# Altium PCB UltraZOhm_CarrierBoard.PcbDoc (part 1 of 12) (continued)
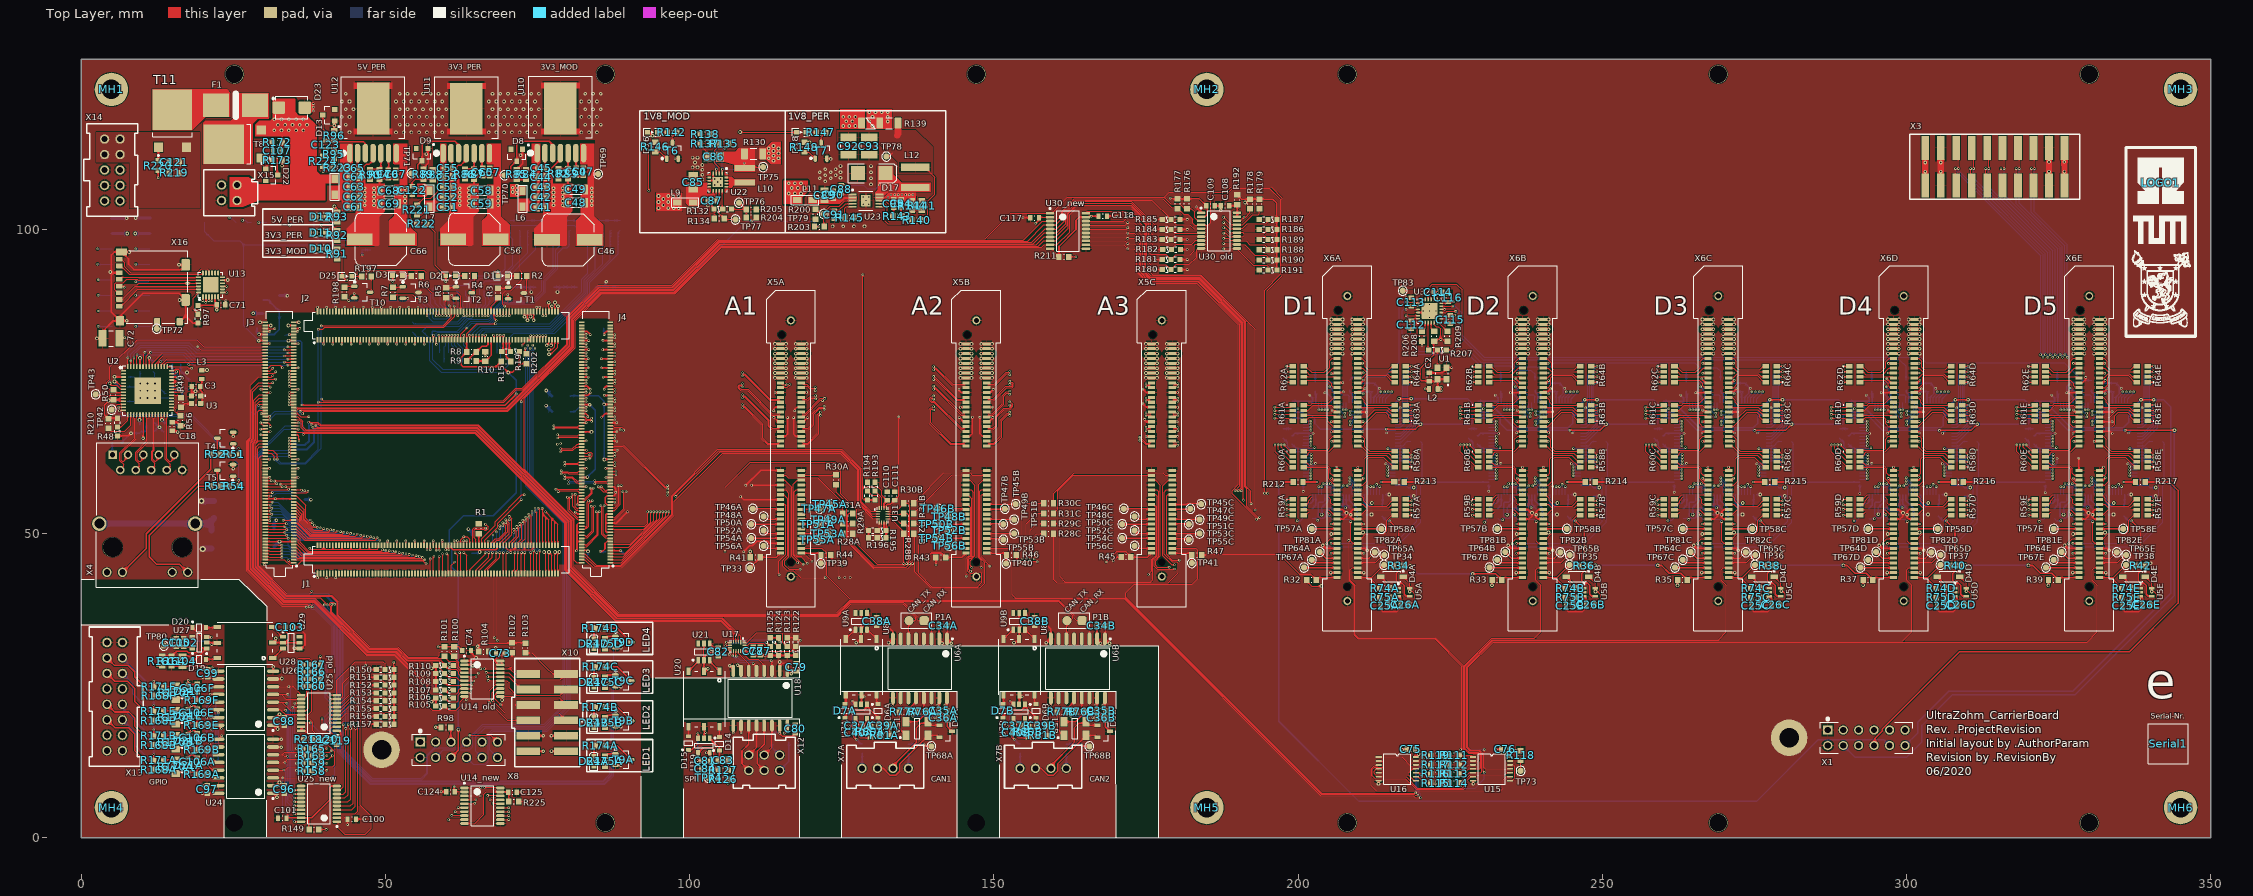
[diagram p0: Top Layer view]
## Classes and differential pairs
component class U_XMOD: R98 R99 X8 X9 X10 X11
component class U_LevelShiftingExtGPIO: C100 C101 C119 C120 R149 R150 R151 R152 R153 R154 R155 R156 R157 R158 R159 R160 R162 R163 R165 R166 R167 R218 U25_new U25_old
net class S75: CS_fastADC_01_3V3 CS_fastADC_02_3V3 NetR28A_1 NetR28B_1 NetR28C_1 NetR29A_2 NetR29B_2 NetR29C_2 NetR30A_1 NetR30B_1 NetR30C_1 NetR31A_2 NetR31B_2 NetR31C_2 SPI_shared_CLK_3V3 SPI_shared_MOSI_3V3
net class CPLD_CLK[1..5]: CPLD_CLK1 CPLD_CLK2 CPLD_CLK3 CPLD_CLK4 CPLD_CLK5
component class U_J2: D1 D2 D3 D25 J2 R2 R3 R4 R5 R6 R7 R8 R9 R10 R11 R12 R13 R14 R15 R16 R17 R18 R19 R20 R21 R22 R23 R24 R25 R197 R198 R199 R201 R202 SW1 SW2 SW3 T1 T2 T3 T10 TP1 TP2 TP3 TP4 TP5 TP6 TP7 TP8 TP9 TP10 TP11 TP12 TP13 TP14 TP15 TP16 TP17 TP18 TP19 TP20 TP21 TP22 TP23 TP24 TP25 U_J2
component class U_ETH-PHY: C3 C4 C5 C6 C7 C8 C9 C10 C11 C12 C13 C14 C15 C16 C17 C18 C19 C20 C21 L3 L4 R48 R49 R50 R51 R52 R53 R54 R55 R56 R210 T4 T5 TP42 TP43 U2 U3 X4
component class CarrierBoard_TopSheet: LOGO1 MH1 MH2 MH3 MH4 MH5 MH6 Serial1
component class U_J1: J1 R1 U_J1
component class U_J3: C1 J3 L1 TP26 TP27 TP28 TP29 TP30 TP31 TP32 U_J3
component class U_J4: J4 R26 R27 U_J4
component class U_Board2Board: X3
channel class Digital_Interface: Ch1 Ch2 Ch3 Ch4 Ch5
channel class Analog_Interface: Ch1 Ch2 Ch3
component class AIN1: R28A R29A R30A R31A TP10.1_45 TP10.1_46 TP10.1_47 TP10.1_48 TP10.1_49 TP10.1_50 TP10.1_51 TP10.1_52 TP10.1_53 TP10.1_54 TP10.1_55 TP10.1_56 TP45A TP46A TP47A TP48A TP49A TP50A TP51A TP52A TP53A TP54A TP55A TP56A X5A X10.1_2
component class AIN2: R28B R29B R30B R31B TP10.2_45 TP10.2_46 TP10.2_47 TP10.2_48 TP10.2_49 TP10.2_50 TP10.2_51 TP10.2_52 TP10.2_53 TP10.2_54 TP10.2_55 TP10.2_56 TP45B TP46B TP47B TP48B TP49B TP50B TP51B TP52B TP53B TP54B TP55B TP56B X5B X10.2_2
component class AIN3: R28C R29C R30C R31C TP10.3_45 TP10.3_46 TP10.3_47 TP10.3_48 TP10.3_49 TP10.3_50 TP10.3_51 TP10.3_52 TP10.3_53 TP10.3_54 TP10.3_55 TP10.3_56 TP45C TP46C TP47C TP48C TP49C TP50C TP51C TP52C TP53C TP54C TP55C TP56C X5C X10.3_2
component class DIG1: C22A C23A C24A C25A C26A C27A C28A C29A C30A C31A C32A C33A D4A R57A R58A R59A R60A R61A R62A R63A R64A R65A R66A R67A R68A R69A R70A R71A R72A R73A R74A R75A TP57A TP58A TP59A TP60A TP61A TP62A TP63A TP64A TP65A TP66A TP67A TP81A TP82A U4A U5A X6A
component class DIG2: C22B C23B C24B C25B C26B C27B C28B C29B C30B C31B C32B C33B D4B R57B R58B R59B R60B R61B R62B R63B R64B R65B R66B R67B R68B R69B R70B R71B R72B R73B R74B R75B TP57B TP58B TP59B TP60B TP61B TP62B TP63B TP64B TP65B TP66B TP67B TP81B TP82B U4B U5B X6B
component class DIG3: C22C C23C C24C C25C C26C C27C C28C C29C C30C C31C C32C C33C D4C R57C R58C R59C R60C R61C R62C R63C R64C R65C R66C R67C R68C R69C R70C R71C R72C R73C R74C R75C TP57C TP58C TP59C TP60C TP61C TP62C TP63C TP64C TP65C TP66C TP67C TP81C TP82C U4C U5C X6C
component class DIG4: C22D C23D C24D C25D C26D C27D C28D C29D C30D C31D C32D C33D D4D R57D R58D R59D R60D R61D R62D R63D R64D R65D R66D R67D R68D R69D R70D R71D R72D R73D R74D R75D TP57D TP58D TP59D TP60D TP61D TP62D TP63D TP64D TP65D TP66D TP67D TP81D TP82D U4D U5D X6D
component class DIG5: C22E C23E C24E C25E C26E C27E C28E C29E C30E C31E C32E C33E D4E R57E R58E R59E R60E R61E R62E R63E R64E R65E R66E R67E R68E R69E R70E R71E R72E R73E R74E R75E TP57E TP58E TP59E TP60E TP61E TP62E TP63E TP64E TP65E TP66E TP67E TP81E TP82E U4E U5E X6E
component class CAN1: C34A C35A C36A C37A C38A C39A C40A D5A D6A D7A L5A P1A R76A R77A R78A R79A R80A R81A TP68A U6A U7A U8A U9A X7A
component class CAN2: C34B C35B C36B C37B C38B C39B C40B D5B D6B D7B L5B P1B R76B R77B R78B R79B R80B R81B TP68B U6B U7B U8B U9B X7B
component class IOp1: C106A D21A R168A R169A R170A R171A
component class IOp2: C106B D21B R168B R169B R170B R171B
component class IOp3: C106C D21C R168C R169C R170C R171C
component class IOp4: C106D D21D R168D R169D R170D R171D
component class IOp5: C106E D21E R168E R169E R170E R171E
component class IOp6: C106F D21F R168F R169F R170F R171F
component class IOp7: C106G D21G R168G R169G R170G R171G
component class IOp8: C106H D21H R168H R169H R170H R171H
component class U_Collective_FAULT_logic: C75 C76 R111 R112 R113 R114 R115 R116 R117 R118 R119 TP73 U15 U16
component class U_isoGPIO: C96 C97 C98 C99 C102 C103 C104 C105 D19 D20 R161 R164 TP80 U24 U26 U27 U28 U29 X13
component class U_isoSPI: C77 C78 C79 C80 C81 C82 C83 C84 D14 D15 R120 R121 R122 R123 R124 R125 R126 R127 TP74 U17 U18 U19 U20 U21 X12
component class U_Power_Supply_1: C41 C42 C43 C44 C45 C46 C47 C48 C49 C50 C51 C52 C53 C54 C55 C56 C57 C58 C59 C60 C61 C62 C63 C64 C65 C66 C67 C68 C69 C70 C122 C123 D8 D9 D10 D11 D12 D13 L6 L7 L8 R82 R83 R84 R85 R86 R87 R88 R89 R90 R91 R92 R93 R94 R95 R96 R221 R222 R223 R224 TP69 TP70 TP71 U10 U11 U12
component class U_Power_Supply_2: C85 C86 C87 C88 C89 C90 C91 C92 C93 C94 C95 D16 D17 D18 L9 L10 L11 L12 R128 R129 R130 R131 R132 R133 R134 R135 R136 R137 R138 R139 R140 R141 R142 R143 R144 R145 R146 R147 R148 R200 R203 R204 R205 T6 T7 TP54 TP55 TP57 TP75 TP76 TP77 TP78 TP79 U22 U23
component class U_Power_Supply_Input: C107 C121 D22 D23 F1 R172 R173 R219 R220 T8 T11 X14 X15
component class U_SD_Card: C71 C72 R97 TP72 U13 X16
component class U_Signal_Distribution: C2 C112 C113 C114 C115 C116 L2 R32 R33 R34 R35 R36 R37 R38 R39 R40 R41 R42 R43 R44 R45 R46 R47 R206 R207 R208 R209 R212 R213 R214 R215 R216 R217 TP33 TP34 TP35 TP36 TP37 TP38 TP39 TP40 TP41 TP83 U1 U32 X1
component class U_LevelShiftingXMOD: C73 C74 C124 C125 R100 R101 R102 R103 R104 R105 R106 R107 R108 R109 R110 R225 U14_new
net class ANL_01_N[1..3]: ANL_01_N1 ANL_01_N2 ANL_01_N3
net class ANL_01_P[1..3]: ANL_01_P1 ANL_01_P2 ANL_01_P3
net class ANL_02_N[1..3]: ANL_02_N1 ANL_02_N2 ANL_02_N3
net class ANL_02_P[1..3]: ANL_02_P1 ANL_02_P2 ANL_02_P3
net class ANL_03_N[1..3]: ANL_03_N1 ANL_03_N2 ANL_03_N3
net class ANL_03_P[1..3]: ANL_03_P1 ANL_03_P2 ANL_03_P3
net class ANL_04_N[1..3]: ANL_04_N1 ANL_04_N2 ANL_04_N3
net class ANL_04_P[1..3]: ANL_04_P1 ANL_04_P2 ANL_04_P3
net class ANL_05_N[1..3]: ANL_05_N1 ANL_05_N2 ANL_05_N3
net class ANL_05_P[1..3]: ANL_05_P1 ANL_05_P2 ANL_05_P3
net class ANL_06_N[1..3]: ANL_06_N1 ANL_06_N2 ANL_06_N3
net class ANL_06_P[1..3]: ANL_06_P1 ANL_06_P2 ANL_06_P3
net class ANL_07_N[1..3]: ANL_07_N1 ANL_07_N2 ANL_07_N3
net class ANL_07_P[1..3]: ANL_07_P1 ANL_07_P2 ANL_07_P3
net class ANL_08_N[1..3]: ANL_08_N1 ANL_08_N2 ANL_08_N3
net class ANL_08_P[1..3]: ANL_08_P1 ANL_08_P2 ANL_08_P3
net class ANL_09_N[1..3]: ANL_09_N1 ANL_09_N2 ANL_09_N3
net class ANL_09_P[1..3]: ANL_09_P1 ANL_09_P2 ANL_09_P3
net class ANL_10_N[1..3]: ANL_10_N1 ANL_10_N2 ANL_10_N3
net class ANL_10_P[1..3]: ANL_10_P1 ANL_10_P2 ANL_10_P3
net class CAN_RXD[1..2]: CAN_RXD1 CAN_RXD2
net class CAN_TXD[1..2]: CAN_TXD1 CAN_TXD2
net class CPLD_TDI[1..5]: CPLD_TDI1 CPLD_TDI2 CPLD_TDI3 CPLD_TDI4 CPLD_TDI5
net class CPLD_TDO[1..5]: CPLD_TDO1 CPLD_TDO2 CPLD_TDO3 CPLD_TDO4 CPLD_TDO5
net class DIG_01_CH[1..5]: DIG_01_CH1 DIG_01_CH2 DIG_01_CH3 DIG_01_CH4 DIG_01_CH5
net class DIG_02_CH[1..5]: DIG_02_CH1 DIG_02_CH2 DIG_02_CH3 DIG_02_CH4 DIG_02_CH5
net class DIG_03_CH[1..5]: DIG_03_CH1 DIG_03_CH2 DIG_03_CH3 DIG_03_CH4 DIG_03_CH5
net class DIG_04_CH[1..5]: DIG_04_CH1 DIG_04_CH2 DIG_04_CH3 DIG_04_CH4 DIG_04_CH5
net class DIG_05_CH[1..5]: DIG_05_CH1 DIG_05_CH2 DIG_05_CH3 DIG_05_CH4 DIG_05_CH5
net class DIG_06_CH[1..5]: DIG_06_CH1 DIG_06_CH2 DIG_06_CH3 DIG_06_CH4 DIG_06_CH5
net class DIG_07_CH[1..5]: DIG_07_CH1 DIG_07_CH2 DIG_07_CH3 DIG_07_CH4 DIG_07_CH5
net class DIG_08_CH[1..5]: DIG_08_CH1 DIG_08_CH2 DIG_08_CH3 DIG_08_CH4 DIG_08_CH5
net class DIG_09_CH[1..5]: DIG_09_CH1 DIG_09_CH2 DIG_09_CH3 DIG_09_CH4 DIG_09_CH5
net class DIG_10_CH[1..5]: DIG_10_CH1 DIG_10_CH2 DIG_10_CH3 DIG_10_CH4 DIG_10_CH5
net class DIG_11_CH[1..5]: DIG_11_CH1 DIG_11_CH2 DIG_11_CH3 DIG_11_CH4 DIG_11_CH5
net class DIG_12_CH[1..5]: DIG_12_CH1 DIG_12_CH2 DIG_12_CH3 DIG_12_CH4 DIG_12_CH5
net class DIG_13_CH[1..5]: DIG_13_CH1 DIG_13_CH2 DIG_13_CH3 DIG_13_CH4 DIG_13_CH5
net class DIG_14_CH[1..5]: DIG_14_CH1 DIG_14_CH2 DIG_14_CH3 DIG_14_CH4 DIG_14_CH5
net class DIG_15_CH[1..5]: DIG_15_CH1 DIG_15_CH2 DIG_15_CH3 DIG_15_CH4 DIG_15_CH5
net class DIG_16_CH[1..5]: DIG_16_CH1 DIG_16_CH2 DIG_16_CH3 DIG_16_CH4 DIG_16_CH5
net class DIG_17_CH[1..5]: DIG_17_CH1 DIG_17_CH2 DIG_17_CH3 DIG_17_CH4 DIG_17_CH5
net class DIG_18_CH[1..5]: DIG_18_CH1 DIG_18_CH2 DIG_18_CH3 DIG_18_CH4 DIG_18_CH5
net class DIG_19_CH[1..5]: DIG_19_CH1 DIG_19_CH2 DIG_19_CH3 DIG_19_CH4 DIG_19_CH5
net class DIG_20_CH[1..5]: DIG_20_CH1 DIG_20_CH2 DIG_20_CH3 DIG_20_CH4 DIG_20_CH5
net class DIG_21_CH[1..5]: DIG_21_CH1 DIG_21_CH2 DIG_21_CH3 DIG_21_CH4 DIG_21_CH5
net class DIG_22_CH[1..5]: DIG_22_CH1 DIG_22_CH2 DIG_22_CH3 DIG_22_CH4 DIG_22_CH5
net class DIG_23_CH[1..5]: DIG_23_CH1 DIG_23_CH2 DIG_23_CH3 DIG_23_CH4 DIG_23_CH5
net class DIG_24_CH[1..5]: DIG_24_CH1 DIG_24_CH2 DIG_24_CH3 DIG_24_CH4 DIG_24_CH5
net class DIG_25_CH[1..5]: DIG_25_CH1 DIG_25_CH2 DIG_25_CH3 DIG_25_CH4 DIG_25_CH5
net class DIG_26_CH[1..5]: DIG_26_CH1 DIG_26_CH2 DIG_26_CH3 DIG_26_CH4 DIG_26_CH5
net class DIG_27_CH[1..5]: DIG_27_CH1 DIG_27_CH2 DIG_27_CH3 DIG_27_CH4 DIG_27_CH5
net class DIG_28_CH[1..5]: DIG_28_CH1 DIG_28_CH2 DIG_28_CH3 DIG_28_CH4 DIG_28_CH5
net class DIG_29_CH[1..5]: DIG_29_CH1 DIG_29_CH2 DIG_29_CH3 DIG_29_CH4 DIG_29_CH5
net class DIG_30_CH[1..5]: DIG_30_CH1 DIG_30_CH2 DIG_30_CH3 DIG_30_CH4 DIG_30_CH5
net class EXT_GPIO[1..8]: EXT_GPIO1 EXT_GPIO2 EXT_GPIO3 EXT_GPIO4 EXT_GPIO5 EXT_GPIO6 EXT_GPIO7 EXT_GPIO8
net class GPIO_3V3_[1..8]: GPIO_3V3_1 GPIO_3V3_2 GPIO_3V3_3 GPIO_3V3_4 GPIO_3V3_5 GPIO_3V3_6 GPIO_3V3_7 GPIO_3V3_8
net class PILOT_A_IN[1..3]: PILOT_A_IN1 PILOT_A_IN2 PILOT_A_IN3
net class PILOT_A_OUT[1..3]: PILOT_A_OUT1 PILOT_A_OUT2 PILOT_A_OUT3
net class PILOT_D_IN[1..5]: PILOT_D_IN1 PILOT_D_IN2 PILOT_D_IN3 PILOT_D_IN4 PILOT_D_IN5
net class PILOT_D_OUT[1..5]: PILOT_D_OUT1 PILOT_D_OUT2 PILOT_D_OUT3 PILOT_D_OUT4 PILOT_D_OUT5
net class PS_GPIO[1..8]: PS_GPIO1 PS_GPIO2 PS_GPIO3 PS_GPIO4 PS_GPIO5 PS_GPIO6 PS_GPIO7 PS_GPIO8
channel class External_IO_Protection: IOp1 IOp2 IOp3 IOp4 IOp5 IOp6 IOp7 IOp8
channel class isoCAN: CAN1 CAN2
component class DiagLED1: D24A R174A R175A T9A
component class DiagLED2: D24B R174B R175B T9B
component class DiagLED3: D24C R174C R175C T9C
component class DiagLED4: D24D R174D R175D T9D
component class U_LevelShifting: C108 C109 C110 C111 C117 C118 R176 R177 R178 R179 R180 R181 R182 R183 R184 R185 R186 R187 R188 R189 R190 R191 R192 R193 R194 R195 R196 R211 U30_new U30_old U31
net class COLLECTIVE_A_FLT[1..3]: COLLECTIVE_A_FLT1 COLLECTIVE_A_FLT2 COLLECTIVE_A_FLT3
net class COLLECTIVE_D_FLT[1..5]: COLLECTIVE_D_FLT1 COLLECTIVE_D_FLT2 COLLECTIVE_D_FLT3 COLLECTIVE_D_FLT4 COLLECTIVE_D_FLT5
channel class DiagLEDs: DiagLED1 DiagLED2 DiagLED3 DiagLED4
net class eSD: ESD_CLK ESD_CMD ESD_DAT0 ESD_DAT1 ESD_DAT2 ESD_DAT3
net class ETH-MDI: PHY_MDI0_N PHY_MDI0_P PHY_MDI1_N PHY_MDI1_P PHY_MDI2_N PHY_MDI2_P PHY_MDI3_N PHY_MDI3_P
net class ETH: ETH_RXCK ETH_RXCTL ETH_RXD0 ETH_RXD1 ETH_RXD2 ETH_RXD3 ETH_TXCK ETH_TXCTL ETH_TXD0 ETH_TXD1 ETH_TXD2 ETH_TXD3
net class PWR: 1V8_MOD 1V8_PER 3V3_MOD 3V3_PER 5V_PER NetC41_1 NetC51_1 NetC61_1 NetC85_1 NetC86_1 NetC89_1 NetC92_2 NetC121_1 NetF1_1 NetF1_2 VIN
net class SD: SD_CLK SD_CMD SD_DAT0 SD_DAT1 SD_DAT2 SD_DAT3
differential pair ANL_011: +ANL_01_P1 -ANL_01_N1
differential pair ANL_012: +ANL_01_P2 -ANL_01_N2
differential pair ANL_013: +ANL_01_P3 -ANL_01_N3
differential pair ANL_021: +ANL_02_P1 -ANL_02_N1
differential pair ANL_022: +ANL_02_P2 -ANL_02_N2
differential pair ANL_023: +ANL_02_P3 -ANL_02_N3
differential pair ANL_031: +ANL_03_P1 -ANL_03_N1
differential pair ANL_032: +ANL_03_P2 -ANL_03_N2
differential pair ANL_033: +ANL_03_P3 -ANL_03_N3
differential pair ANL_041: +ANL_04_P1 -ANL_04_N1
differential pair ANL_042: +ANL_04_P2 -ANL_04_N2
differential pair ANL_043: +ANL_04_P3 -ANL_04_N3
differential pair ANL_051: +ANL_05_P1 -ANL_05_N1
differential pair ANL_052: +ANL_05_P2 -ANL_05_N2
differential pair ANL_053: +ANL_05_P3 -ANL_05_N3
differential pair ANL_061: +ANL_06_P1 -ANL_06_N1
differential pair ANL_062: +ANL_06_P2 -ANL_06_N2
differential pair ANL_063: +ANL_06_P3 -ANL_06_N3
differential pair ANL_071: +ANL_07_P1 -ANL_07_N1
differential pair ANL_072: +ANL_07_P2 -ANL_07_N2
differential pair ANL_073: +ANL_07_P3 -ANL_07_N3
differential pair ANL_081: +ANL_08_P1 -ANL_08_N1
differential pair ANL_082: +ANL_08_P2 -ANL_08_N2
differential pair ANL_083: +ANL_08_P3 -ANL_08_N3
differential pair ANL_091: +ANL_09_P1 -ANL_09_N1
differential pair ANL_092: +ANL_09_P2 -ANL_09_N2
differential pair ANL_093: +ANL_09_P3 -ANL_09_N3
differential pair ANL_101: +ANL_10_P1 -ANL_10_N1
differential pair ANL_102: +ANL_10_P2 -ANL_10_N2
differential pair ANL_103: +ANL_10_P3 -ANL_10_N3
differential pair PHY_MDI0: +PHY_MDI0_P -PHY_MDI0_N
differential pair PHY_MDI1: +PHY_MDI1_P -PHY_MDI1_N
differential pair PHY_MDI2: +PHY_MDI2_P -PHY_MDI2_N
differential pair PHY_MDI3: +PHY_MDI3_P -PHY_MDI3_N

## Components (designator, comment, footprint, x,y, rotation, side; value= is the part's Value field where it differs from the comment)
C1 "22µF" C_1206 32.577,87.692 r90 bottom
C2 "470nF" C_0603(1608)100_L 221.579,75.743 r270 top
C3 "470nF" C_0603(1608)100_L 18.886,74.191 r0 top
C4 "100nF" C_0603(1608)100_L 5.831,64.964 r0 bottom
C5 "470nF" C_0603(1608)100_L 6.871,71.778 r0 bottom
C6 "470nF" C_0603(1608)100_L 11.774,77.391 r270 bottom
C7 "470nF" C_0603(1608)100_L 9.716,77.416 r270 bottom
C8 "470nF" C_0603(1608)100_L 14.742,68.045 r0 bottom
C9 "470nF" C_0603(1608)100_L 15.711,71.854 r180 bottom
C10 "470nF" C_0603(1608)100_L 7.075,75.765 r0 bottom
C11 "4.7µF" C_0603(1608)100_L 9.627,67.229 r270 bottom
C12 "100pF" C_1210_N 21.826,53.945 r90 bottom
C13 "4.7µF" C_0603(1608)100_L 15.66,76.68 r0 bottom
C14 "470nF" C_0603(1608)100_L 15.66,77.837 r0 bottom
C15 "470nF" C_0603(1608)100_L 6.919,74.179 r0 bottom
C16 "470nF" C_0603(1608)100_L 11.418,68.196 r0 bottom
C17 "10µF" C_0603(1608)100_L 11.418,66.875 r0 bottom
C18 "470nF" C_0603(1608)100_L 14.999,67.612 r270 top
C19 "10µF" C_0603(1608)100_L 17.666,74.343 r90 bottom
C20 "470nF" C_0603(1608)100_L 14.72,73.048 r180 bottom
C21 "220nF" C_0603(1608)100_L 14.88,74.751 r90 bottom
C22A "100nF" C_0603(1608)100_L 204.597,54.336 r180 bottom (schematic designator C22)
C22B "100nF" C_0603(1608)100_L 235.077,54.336 r180 bottom (schematic designator C22)
C22C "100nF" C_0603(1608)100_L 265.557,54.336 r180 bottom (schematic designator C22)
C22D "100nF" C_0603(1608)100_L 296.037,54.336 r180 bottom (schematic designator C22)
C22E "100nF" C_0603(1608)100_L 326.517,54.336 r180 bottom (schematic designator C22)
C23A "100nF" C_0603(1608)100_L 198.988,65.407 r270 bottom (schematic designator C23)
C23B "100nF" C_0603(1608)100_L 229.468,65.407 r270 bottom (schematic designator C23)
C23C "100nF" C_0603(1608)100_L 259.948,65.407 r270 bottom (schematic designator C23)
C23D "100nF" C_0603(1608)100_L 290.428,65.407 r270 bottom (schematic designator C23)
C23E "100nF" C_0603(1608)100_L 320.908,65.407 r270 bottom (schematic designator C23)
C24A "100nF" C_0603(1608)100_L 205.613,74.148 r270 bottom (schematic designator C24)
C24B "100nF" C_0603(1608)100_L 236.093,74.148 r270 bottom (schematic designator C24)
C24C "100nF" C_0603(1608)100_L 266.573,74.148 r270 bottom (schematic designator C24)
C24D "100nF" C_0603(1608)100_L 297.053,74.148 r270 bottom (schematic designator C24)
C24E "100nF" C_0603(1608)100_L 327.533,74.148 r270 bottom (schematic designator C24)
C25A "100nF" C_0603(1608)100_L 214.23,38.135 r0 top (schematic designator C25)
C25B "100nF" C_0603(1608)100_L 244.71,38.135 r0 top (schematic designator C25)
C25C "100nF" C_0603(1608)100_L 275.19,38.135 r0 top (schematic designator C25)
C25D "100nF" C_0603(1608)100_L 305.67,38.135 r0 top (schematic designator C25)
C25E "100nF" C_0603(1608)100_L 336.15,38.135 r0 top (schematic designator C25)
C26A "100nF" C_0603(1608)100_L 217.563,38.292 r0 top (schematic designator C26)
C26B "100nF" C_0603(1608)100_L 248.043,38.292 r0 top (schematic designator C26)
C26C "100nF" C_0603(1608)100_L 278.523,38.292 r0 top (schematic designator C26)
C26D "100nF" C_0603(1608)100_L 309.003,38.292 r0 top (schematic designator C26)
C26E "100nF" C_0603(1608)100_L 339.483,38.292 r0 top (schematic designator C26)
C27A "100nF" C_0603(1608)100_L 199.009,71.1 r270 bottom (schematic designator C27)
C27B "100nF" C_0603(1608)100_L 229.489,71.1 r270 bottom (schematic designator C27)
C27C "100nF" C_0603(1608)100_L 259.969,71.1 r270 bottom (schematic designator C27)
C27D "100nF" C_0603(1608)100_L 290.449,71.1 r270 bottom (schematic designator C27)
C27E "100nF" C_0603(1608)100_L 320.929,71.1 r270 bottom (schematic designator C27)
C28A "100nF" C_0603(1608)100_L 209.773,74.048 r270 bottom (schematic designator C28)
C28B "100nF" C_0603(1608)100_L 240.253,74.048 r270 bottom (schematic designator C28)
C28C "100nF" C_0603(1608)100_L 270.733,74.048 r270 bottom (schematic designator C28)
C28D "100nF" C_0603(1608)100_L 301.213,74.048 r270 bottom (schematic designator C28)
C28E "100nF" C_0603(1608)100_L 331.693,74.048 r270 bottom (schematic designator C28)
C29A "100nF" C_0603(1608)100_L 212.217,74.048 r270 bottom (schematic designator C29)
C29B "100nF" C_0603(1608)100_L 242.697,74.048 r270 bottom (schematic designator C29)
C29C "100nF" C_0603(1608)100_L 273.177,74.048 r270 bottom (schematic designator C29)
C29D "100nF" C_0603(1608)100_L 303.657,74.048 r270 bottom (schematic designator C29)
C29E "100nF" C_0603(1608)100_L 334.137,74.048 r270 bottom (schematic designator C29)
C30A "100nF" C_0603(1608)100_L 218.567,63.734 r180 bottom (schematic designator C30)
C30B "100nF" C_0603(1608)100_L 249.047,63.734 r180 bottom (schematic designator C30)
C30C "100nF" C_0603(1608)100_L 279.527,63.734 r180 bottom (schematic designator C30)
C30D "100nF" C_0603(1608)100_L 310.007,63.734 r180 bottom (schematic designator C30)
C30E "100nF" C_0603(1608)100_L 340.487,63.734 r180 bottom (schematic designator C30)
C31A "100nF" C_0603(1608)100_L 218.059,56.876 r90 bottom (schematic designator C31)
C31B "100nF" C_0603(1608)100_L 248.539,56.876 r90 bottom (schematic designator C31)
C31C "100nF" C_0603(1608)100_L 279.019,56.876 r90 bottom (schematic designator C31)
C31D "100nF" C_0603(1608)100_L 309.499,56.876 r90 bottom (schematic designator C31)
C31E "100nF" C_0603(1608)100_L 339.979,56.876 r90 bottom (schematic designator C31)
C32A "100nF" C_0603(1608)100_L 211.201,53.828 r90 bottom (schematic designator C32)
C32B "100nF" C_0603(1608)100_L 241.681,53.828 r90 bottom (schematic designator C32)
C32C "100nF" C_0603(1608)100_L 272.161,53.828 r90 bottom (schematic designator C32)
C32D "100nF" C_0603(1608)100_L 302.641,53.828 r90 bottom (schematic designator C32)
C32E "100nF" C_0603(1608)100_L 333.121,53.828 r90 bottom (schematic designator C32)
C33A "100nF" C_0603(1608)100_L 207.137,53.828 r90 bottom (schematic designator C33)
C33B "100nF" C_0603(1608)100_L 237.617,53.828 r90 bottom (schematic designator C33)
C33C "100nF" C_0603(1608)100_L 268.097,53.828 r90 bottom (schematic designator C33)
C33D "100nF" C_0603(1608)100_L 298.577,53.828 r90 bottom (schematic designator C33)
C33E "100nF" C_0603(1608)100_L 329.057,53.828 r90 bottom (schematic designator C33)
C34A "100nF" C_0603(1608)100_L 141.664,34.855 r0 top (schematic designator C34)
C34B "100nF" C_0603(1608)100_L 167.617,34.855 r0 top (schematic designator C34)
C35A "100nF" C_0603(1608)100_L 141.664,20.933 r0 top (schematic designator C35)
C35B "100nF" C_0603(1608)100_L 167.617,20.933 r0 top (schematic designator C35)
C36A "4.7nF" C_0603(1608)100_L 141.664,19.767 r0 top (schematic designator C36)
C36B "4.7nF" C_0603(1608)100_L 167.617,19.768 r0 top (schematic designator C36)
C37A "1nF" C_0603(1608)100_L 127.761,18.415 r0 top (schematic designator C37)
C37B "1nF" C_0603(1608)100_L 153.713,18.415 r0 top (schematic designator C37)
C38A "100nF" C_0603(1608)100_L 130.742,35.592 r90 top (schematic designator C38)
C38B "100nF" C_0603(1608)100_L 156.695,35.592 r90 top (schematic designator C38)
C39A "22µF" CAPC0805(2012)145_L 131.888,18.464 r0 top (schematic designator C39)
C39B "22µF" CAPC0805(2012)145_L 157.841,18.464 r0 top (schematic designator C39)
C40A "10µF" C_0603(1608)100_L 127.761,17.27 r180 top (schematic designator C40)
C40B "10µF" C_0603(1608)100_L 153.713,17.271 r180 top (schematic designator C40)
C41 "10µF" CAPC0805(2012)145_L 75.645,103.644 r0 top
C42 "10µF" CAPC0805(2012)145_L 75.648,105.312 r0 top
C43 "10µF" CAPC0805(2012)145_L 75.648,106.963 r0 top
C44 "10µF" CAPC0805(2012)145_L 75.648,108.614 r0 top
C45 "33nF" C_0603(1608)100_L 75.611,110.067 r180 top
C46 "220µF" "WCAP-PSHP_D8MM X L7.7MM" 80.068,98.302 r0 top locked
C47 "470nF" C_0603(1608)100_L 82.523,109.474 r270 top
C48 "22µF" 1206_3.2X1.6X1.6MM 81.295,104.406 r0 top
C49 "22µF" 1206_3.2X1.6X1.6MM 81.295,106.565 r0 top
C50 "220nF" C_0603(1608)100_L 81.355,109.474 r270 top
C51 "10µF" CAPC0805(2012)145_L 60.267,103.671 r0 top
C52 "10µF" CAPC0805(2012)145_L 60.27,105.313 r0 top
C53 "10µF" CAPC0805(2012)145_L 60.27,106.964 r0 top
C54 "10µF" CAPC0805(2012)145_L 60.27,108.615 r0 top
C55 "33nF" C_0603(1608)100_L 60.284,110.043 r180 top
C56 "220µF" "WCAP-PSHP_D8MM X L7.7MM" 64.664,98.405 r0 top
C57 "470nF" C_0603(1608)100_L 67.171,109.425 r270 top
C58 "22µF" 1206_3.2X1.6X1.6MM 65.817,106.389 r0 top
C59 "22µF" 1206_3.2X1.6X1.6MM 65.817,104.255 r0 top
C60 "220nF" C_0603(1608)100_L 66.002,109.425 r270 top
C61 "10µF" CAPC0805(2012)145_L 44.89,103.699 r0 top
C62 "10µF" CAPC0805(2012)145_L 44.885,105.337 r0 top
C63 "10µF" CAPC0805(2012)145_L 44.883,106.973 r0 top
C64 "10µF" CAPC0805(2012)145_L 44.883,108.623 r0 top
C65 "33nF" C_0603(1608)100_L 44.855,110.053 r180 top
C66 "220µF" "WCAP-PSHP_D8MM X L7.7MM" 49.307,98.391 r0 top locked
C67 "470nF" C_0603(1608)100_L 51.681,109.105 r270 top
C68 "22µF" 1206_3.2X1.6X1.6MM 50.624,106.358 r0 top
C69 "22µF" 1206_3.2X1.6X1.6MM 50.615,104.233 r0 top
C70 "220nF" C_0603(1608)100_L 50.483,109.105 r270 top
C71 "470nF" C_0603(1608)100_L 23.003,87.596 r0 top
C72 "47µF" C_1210_N 4.941,82.093 r0 top
C73 "dnp" C_0603(1608)100_L 68.899,30.377 r0 top value=100nF
C74 "dnp" C_0603(1608)100_L 63.362,30.808 r180 top value=100nF
C75 "100nF" C_0603(1608)100_L 218.527,14.583 r0 top
C76 "100nF" C_0603(1608)100_L 234.021,14.583 r0 top
C77 "100nF" C_0603(1608)100_L 111.631,30.711 r90 top
C78 "100nF" C_0603(1608)100_L 110.488,30.711 r270 top
C79 "100nF" C_0603(1608)100_L 117.549,28.044 r270 top
C80 "100nF" C_0603(1608)100_L 117.396,17.93 r270 top
C81 "1nF" C_0603(1608)100_L 102.614,12.677 r0 top
C82 "100nF" C_0603(1608)100_L 104.72,30.584 r90 top
C83 "22µF" CAPC0805(2012)145_L 105.535,12.804 r0 top
C84 "10µF" C_0603(1608)100_L 102.614,11.407 r180 top
C85 "10µF" CAPC0805(2012)145_M 100.585,107.732 r90 top
C86 "22µF" CAPC0805(2012)145_M 103.988,111.923 r180 top
C87 "10nF" C_0603_L_HIGHDENSITY 103.658,104.709 r180 top
C88 "100nF" C_0603(1608)100_L 124.893,106.614 r270 top
C89 "10µF" CAPC0805(2012)145_L 122.173,105.654 r90 top
C90 "100nF" C_0603(1608)100_L 123.623,105.7 r270 top
C91 "100nF" C_0603(1608)100_L 123.8,102.423 r90 top
C92 "47µF" C_1210_N 126.112,113.675 r90 top
C93 "47µF" C_1210_N 129.49,113.675 r90 top
C94 "4.7nF" C_0603(1608)100_L 134.748,104.252 r90 top
C95 "47pF" C_0603(1608)100_L 133.529,104.252 r90 top
C96 "100nF" C_0603(1608)100_L 33.416,7.974 r270 top
C97 "100nF" C_0603(1608)100_L 20.716,7.974 r90 top
C98 "100nF" C_0603(1608)100_L 33.416,19.15 r270 top
C99 "100nF" C_0603(1608)100_L 20.818,27.076 r90 top
C100 "100nF" C_0603(1608)100_L 44.5,3.1 r0 top
C101 "100nF" C_0603(1608)100_L 33.075,3.275 r180 top
C102 "1nF" C_0603(1608)100_L 16.906,32.11 r270 top
C103 "100nF" C_0603(1608)100_L 34.303,34.631 r0 top
C104 "22µF" CAPC0805(2012)145_L 16.652,29.062 r270 top
C105 "10µF" C_0603(1608)100_L 15.636,32.11 r90 top
C106A "100nF" C_0603(1608)100_L 19.11,12.496 r270 top (schematic designator C106)
C106B "100nF" C_0603(1608)100_L 19.105,16.51 r270 top (schematic designator C106)
C106C "100nF" C_0603(1608)100_L 19.105,10.868 r90 bottom (schematic designator C106)
C106D "100nF" C_0603(1608)100_L 19.105,14.932 r90 bottom (schematic designator C106)
C106E "100nF" C_0603(1608)100_L 19.105,20.574 r270 top (schematic designator C106)
C106F "100nF" C_0603(1608)100_L 19.105,24.638 r270 top (schematic designator C106)
C106G "100nF" C_0603(1608)100_L 19.105,18.996 r90 bottom (schematic designator C106)
C106H "100nF" C_0603(1608)100_L 19.105,23.06 r90 bottom (schematic designator C106)
C107 "100nF" C_0603(1608)100_L 32.224,112.951 r180 top
C108 "100nF" C_0603(1608)100_L 187.989,103.899 r0 top
C109 "100nF" C_0603(1608)100_L 185.613,103.894 r180 top
C110 "100nF" C_0603(1608)100_L 132.486,56.185 r90 top
C111 "100nF" C_0603(1608)100_L 133.68,56.185 r270 top
C112 "100pF" C_0603(1608)100_L 218.603,84.349 r270 top
C113 "100pF" C_0603(1608)100_L 218.553,88.074 r270 top
C114 "100pF" C_0603(1608)100_L 223.001,89.706 r0 top
C115 "100pF" C_0603(1608)100_L 225.007,85.199 r270 top
C116 "100pF" C_0603(1608)100_L 224.706,88.774 r270 top
C117 "100nF" C_0603(1608)100_L 156.7,101.9 r180 top
C118 "100nF" C_0603(1608)100_L 167.9,102.2 r0 top
C119 "100nF" C_0603(1608)100_L 42,16 r90 top
C120 "100nF" C_0603(1608)100_L 40,16.2 r180 top
C121 "10µF" CAPC0805(2012)145_L 15.3,111 r180 top
C122 "100nF" C_0603(1608)100_L 54.4,106.4 r270 top
C123 "100nF" C_0603(1608)100_L 40.2,113.9 r270 top
C124 "100nF" C_0603(1608)100_L 60.7,7.6 r180 top
C125 "100nF" C_0603(1608)100_L 70.9,7.5 r0 top
D1 "150060RS75000" WL-SMCW_0603 69.308,92.359 r180 top
D2 "150060RS75000" WL-SMCW_0603 60.733,92.379 r180 top
D3 "150060RS75000" WL-SMCW_0603 52.01,92.409 r180 top
D4A "BAT46W" DIOD-SOD-123-2_V 215.421,42.945 r0 top (schematic designator D4)
D4B "BAT46W" DIOD-SOD-123-2_V 245.901,42.945 r0 top (schematic designator D4)
D4C "BAT46W" DIOD-SOD-123-2_V 276.381,42.945 r0 top (schematic designator D4)
D4D "BAT46W" DIOD-SOD-123-2_V 306.861,42.945 r0 top (schematic designator D4)
D4E "BAT46W" DIOD-SOD-123-2_V 337.341,42.945 r0 top (schematic designator D4)
D5A "ESDCAN01-2BLY" SOT-23-3 142.11,17.527 r0 top (schematic designator D5)
D5B "ESDCAN01-2BLY" SOT-23-3 168.062,17.527 r0 top (schematic designator D5)
D6A "BAT20J" SOD-323_STMICROELECTRONICS 130.996,20.885 r90 top (schematic designator D6)
D6B "BAT20J" SOD-323_STMICROELECTRONICS 156.949,20.885 r90 top (schematic designator D6)
D7A "BAT20J" SOD-323_STMICROELECTRONICS 125.535,20.885 r90 top (schematic designator D7)
D7B "BAT20J" SOD-323_STMICROELECTRONICS 151.488,20.885 r90 top (schematic designator D7)
D8 "BZX84C5V1" SOT-23-3_ONSC 71.606,112.209 r270 top
D9 "BZX84C5V1" SOT-23-3_ONSC 56.035,112.3 r270 top
D10 "150060GS75000" WL-SMCW_0603 39.408,96.83 r0 top
D11 "150060RS75000" WL-SMCW_0603 39.372,99.454 r0 top
D12 "150060BS75000" WL-SMCW_0603 39.408,102.063 r0 top
D13 "BZX84C5V1" SOT-23-3_ONSC 40.717,118.786 r180 top
D14 "BAT20J" SOD-323_STMICROELECTRONICS 104.9,15.471 r90 top
D15 "BAT20J" SOD-323_STMICROELECTRONICS 99.82,15.598 r90 top
D16 "150060RS75000" WL-SMCW_0603 93.905,115.961 r180 top
D17 "STPS340-Y" SMB 129.904,109.244 r0 top
D18 "150060RS75000" WL-SMCW_0603 118.339,115.961 r180 top
D19 "BAT20J" SOD-323_STMICROELECTRONICS 19.446,29.362 r0 top
D20 "BAT20J" SOD-323_STMICROELECTRONICS 19.446,34.553 r0 top
D21A "CDSOD323-T03SC" SOD-323_STMICROELECTRONICS 17.586,11.988 r90 top (schematic designator D21)
D21B "CDSOD323-T03SC" SOD-323_STMICROELECTRONICS 17.581,16.002 r90 top (schematic designator D21)
D21C "CDSOD323-T03SC" SOD-323_STMICROELECTRONICS 17.581,11.376 r270 bottom (schematic designator D21)
D21D "CDSOD323-T03SC" SOD-323_STMICROELECTRONICS 17.581,15.44 r270 bottom (schematic designator D21)
D21E "CDSOD323-T03SC" SOD-323_STMICROELECTRONICS 17.581,20.066 r90 top (schematic designator D21)
D21F "CDSOD323-T03SC" SOD-323_STMICROELECTRONICS 17.581,24.13 r90 top (schematic designator D21)
D21G "CDSOD323-T03SC" SOD-323_STMICROELECTRONICS 17.581,19.504 r270 bottom (schematic designator D21)
D21H "CDSOD323-T03SC" SOD-323_STMICROELECTRONICS 17.581,23.568 r270 bottom (schematic designator D21)
D22 "BZX84C15" SOT-23-3_ONSC 31.348,108.96 r0 top
D23 "SMBJ30A, 30V" DIOM5236X261N 34.634,120.018 r0 top
D24A "150060BS75000" WL-SMCW_0603 84.289,12.625 r270 top (schematic designator D24)
D24B "150060BS75000" WL-SMCW_0603 84.289,18.975 r270 top (schematic designator D24)
D24C "150060BS75000" WL-SMCW_0603 84.289,25.579 r270 top (schematic designator D24)
D24D "150060BS75000" WL-SMCW_0603 84.289,31.929 r270 top (schematic designator D24)
D25 "150060GS75000" WL-SMCW_0603 43.7,92.299 r180 top
F1 "5A Fast-Acting Fuse" LITTLEFUSE_154 28.6,120.4 r180 top
J1 "SS5-80-3.50-L-D-K-TR" SS5-80-3.50-L-D-K-TR 58.622,45.786 r180 top locked
J2 "SS5-80-3.50-L-D-K-TR" SS5-80-3.50-L-D-K-TR 58.622,84.186 r180 top locked
J3 "SS5-80-3.50-L-D-K-TR" SS5-80-3.50-L-D-K-TR 32.622,64.986 r270 top locked
J4 "SS5-80-3.50-L-D-K-TR" SS5-80-3.50-L-D-K-TR 84.622,64.986 r270 top locked
L1 "1µH" L_1008 29.935,87.311 r90 bottom
L2 "MPZ1608S221ATA00" INDC1608X95N 222.223,73.783 r180 top value="220 OHm @ 100MHz"
L3 "MPZ1608S221ATA00" INDC1608X95N 19.851,76.146 r270 top value="220 OHm @ 100MHz"
L4 "MPZ1608S221ATA00" INDC1608X95N 14.263,66.748 r0 bottom value="220 OHm @ 100MHz"
L5A "744235900" "WE-CNSW 1812" 137.392,17.976 r0 top (schematic designator L5)
L5B "744235900" "WE-CNSW 1812" 163.344,17.976 r0 top (schematic designator L5)
L6 "600 Ohm" "WE-CBF_0805_HIGH CURRENT" 72.567,105.044 r270 top
L7 "600 Ohm" "WE-CBF_0805_HIGH CURRENT" 57.27,105.067 r270 top
L8 "600 Ohm" "WE-CBF_0805_HIGH CURRENT" 41.697,107.013 r270 top
L9 "600 Ohm" "WE-CBF_0805_HIGH CURRENT" 99.289,104.43 r0 top
L10 "1.0µH" COIL-XFL4020_V 109.068,108.925 r90 top
L11 "600 Ohm" "WE-CBF_0805_HIGH CURRENT" 118.971,104.839 r0 top
L12 "15µH" COIL-XAL5050 137.059,108.57 r90 top
LOGO1 "Project Logo" LOGO_PARTNERS_1 341.715,107.687 r0 top
MH1 "Mounting Hole 3.2mm" MHOLE3_2MM 5,123 r0 top
MH2 "Mounting Hole 3.2mm" MHOLE3_2MM 185,123 r0 top
MH3 "Mounting Hole 3.2mm" MHOLE3_2MM 345,123 r0 top
MH4 "Mounting Hole 3.2mm" MHOLE3_2MM 5,5 r0 top
MH5 "Mounting Hole 3.2mm" MHOLE3_2MM 185,5 r0 top
MH6 "Mounting Hole 3.2mm" MHOLE3_2MM 345,5 r0 top
P1A "SMD-Header_2x1" HDR1X2_SMD 138.557,35.712 r180 top (schematic designator P1)
P1B "SMD-Header_2x1" HDR1X2_SMD 164.509,35.713 r180 top (schematic designator P1)
R1 "0R" R_0603_N#1 65.359,50.825 r90 top
R2 "220" R_0603_N#1 72.418,92.367 r0 top
R3 "10k" R_0603_N#1 68.533,89.569 r90 top
R4 "220" R_0603_N#1 63.854,92.38 r0 top
R5 "10k" R_0603_N#1 60.02,89.584 r90 top
R6 "220" R_0603_N#1 55.076,92.376 r0 top
R7 "10k" R_0603_N#1 51.254,89.666 r90 top
R8 "1k" R_0603_N#1 64.182,79.88 r180 top
R9 "100" R_0603_N#1 64.182,78.381 r180 top
R10 "100" R_0603_N#1 66.416,79.133 r270 top
R11 "10k" R_0603_N#1 88.613,100.682 r90 bottom
R12 "10k" R_0603_N#1 87.091,100.682 r90 bottom
R13 "10k" R_0603_N#1 85.631,100.682 r90 bottom
R14 "10k" R_0603_N#1 84.171,100.682 r90 bottom
R15 "0R" R_0603_N#1 69.846,78.317 r0 top
R16 "0R" R_0603_N#1 56.908,83.289 r0 bottom
R17 "10k" R_0603_N#1 81.865,100.682 r90 bottom
R18 "10k" R_0603_N#1 80.363,100.682 r90 bottom
R19 "0R" 0603_CONFIG 70.617,79.935 r0 top
R20 "10k" R_0603_N#1 78.852,100.682 r90 bottom
R21 "10k" R_0603_N#1 77.346,100.682 r90 bottom
R22 "10k" R_0603_N#1 75.083,100.682 r90 bottom
R23 "10k" R_0603_N#1 73.559,100.682 r90 bottom
R24 "10k" R_0603_N#1 72.035,100.682 r90 bottom
R25 "10k" R_0603_N#1 70.511,100.682 r90 bottom
R26 "0R" R_0603_N#1 82.33,66.748 r180 bottom
R27 "0R" R_0603_N#1 87.052,47.014 r180 bottom
R28A "22" R_0603_N#1 126,50 r0 top (schematic designator R28)
R28B "22" R_0603_N#1 136,50 r180 top (schematic designator R28)
R28C "22" R_0603_N#1 159,50 r180 top (schematic designator R28)
R29A "22" R_0603_N#1 126,51.667 r180 top (schematic designator R29)
R29B "22" R_0603_N#1 136,51.667 r0 top (schematic designator R29)
R29C "22" R_0603_N#1 159,51.667 r0 top (schematic designator R29)
R30A "22" R_0603_N#1 124.079,58.852 r270 top (schematic designator R30)
R30B "22" R_0603_N#1 136,55 r180 top (schematic designator R30)
R30C "22" R_0603_N#1 159,55 r180 top (schematic designator R30)
R31A "22" R_0603_N#1 126,53.333 r180 top (schematic designator R31)
R31B "22" R_0603_N#1 136,53.333 r0 top (schematic designator R31)
R31C "22" R_0603_N#1 159,53.333 r0 top (schematic designator R31)
R32 "10k" R_0603_N#1 202.184,42.418 r0 top
R33 "10k" R_0603_N#1 232.664,42.418 r0 top
R34 "dnp" R_0603_N#1 216.512,44.773 r180 top value=0R
R35 "10k" R_0603_N#1 263.144,42.418 r0 top
R36 "dnp" R_0603_N#1 246.992,44.773 r180 top value=0R
R37 "10k" R_0603_N#1 293.624,42.418 r0 top
R38 "dnp" R_0603_N#1 277.472,44.773 r180 top value=0R
R39 "10k" R_0603_N#1 324.104,42.418 r0 top
R40 "dnp" R_0603_N#1 307.952,44.773 r180 top value=0R
R41 "10k" R_0603_N#1 110.799,46.138 r0 top
R42 "dnp" R_0603_N#1 338.432,44.773 r180 top value=0R
R43 "10k" R_0603_N#1 141.281,46.101 r0 top
R44 "dnp" R_0603_N#1 122.396,46.51 r180 top value=0R
R45 "10k" R_0603_N#1 171.711,46.203 r0 top
R46 "dnp" R_0603_N#1 152.876,46.51 r180 top value=0R
R47 "dnp" R_0603_N#1 183.356,46.51 r180 top value=0R
R48 "0R" 0603_Config 6.001,67.5 r270 top
R49 "33" R_0603_N#1 16.422,71.559 r270 top
R50 "4k99" R_0603_N#1 5.322,72.819 r90 top
R51 "10k" R_0603_N#1 25.158,63.044 r180 top
R52 "220" R_0603_N#1 22.11,63.044 r180 top
R53 "220" R_0603_N#1 22.137,57.82 r180 top
R54 "10k" R_0603_N#1 25.16,57.82 r180 top
R55 "1M" RESC3216X65N 21.47,49.043 r270 bottom
R56 "4k99" R_0603_N#1 16.344,68.574 r270 top
R57A "51" PNSC-EXB-38V103JV-8_M 216.8,54.348 r180 top (schematic designator R57)
R57B "51" PNSC-EXB-38V103JV-8_M 247.28,54.348 r180 top (schematic designator R57)
R57C "51" PNSC-EXB-38V103JV-8_M 277.76,54.348 r180 top (schematic designator R57)
R57D "51" PNSC-EXB-38V103JV-8_M 308.24,54.348 r180 top (schematic designator R57)
R57E "51" PNSC-EXB-38V103JV-8_M 338.72,54.348 r180 top (schematic designator R57)
R58A "51" PNSC-EXB-38V103JV-8_M 216.8,62.222 r180 top (schematic designator R58)
R58B "51" PNSC-EXB-38V103JV-8_M 247.28,62.222 r180 top (schematic designator R58)
R58C "51" PNSC-EXB-38V103JV-8_M 277.76,62.222 r180 top (schematic designator R58)
R58D "51" PNSC-EXB-38V103JV-8_M 308.24,62.222 r180 top (schematic designator R58)
R58E "51" PNSC-EXB-38V103JV-8_M 338.72,62.222 r180 top (schematic designator R58)
R59A "51" PNSC-EXB-38V103JV-8_M 200,54.348 r0 top (schematic designator R59)
R59B "51" PNSC-EXB-38V103JV-8_M 230.48,54.348 r0 top (schematic designator R59)
R59C "51" PNSC-EXB-38V103JV-8_M 260.96,54.348 r0 top (schematic designator R59)
R59D "51" PNSC-EXB-38V103JV-8_M 291.44,54.348 r0 top (schematic designator R59)
R59E "51" PNSC-EXB-38V103JV-8_M 321.92,54.348 r0 top (schematic designator R59)
R60A "51" PNSC-EXB-38V103JV-8_M 200,62.222 r0 top (schematic designator R60)
R60B "51" PNSC-EXB-38V103JV-8_M 230.48,62.222 r0 top (schematic designator R60)
R60C "51" PNSC-EXB-38V103JV-8_M 260.96,62.222 r0 top (schematic designator R60)
R60D "51" PNSC-EXB-38V103JV-8_M 291.44,62.222 r0 top (schematic designator R60)
R60E "51" PNSC-EXB-38V103JV-8_M 321.92,62.222 r0 top (schematic designator R60)
R61A "51" PNSC-EXB-38V103JV-8_M 200,69.842 r0 top (schematic designator R61)
R61B "51" PNSC-EXB-38V103JV-8_M 230.48,69.842 r0 top (schematic designator R61)
R61C "51" PNSC-EXB-38V103JV-8_M 260.96,69.842 r0 top (schematic designator R61)
R61D "51" PNSC-EXB-38V103JV-8_M 291.44,69.842 r0 top (schematic designator R61)
R61E "51" PNSC-EXB-38V103JV-8_M 321.92,69.842 r0 top (schematic designator R61)
R62A "51" PNSC-EXB-38V103JV-8_M 200,76.192 r0 top (schematic designator R62)
R62B "51" PNSC-EXB-38V103JV-8_M 230.48,76.192 r0 top (schematic designator R62)
R62C "51" PNSC-EXB-38V103JV-8_M 260.96,76.192 r0 top (schematic designator R62)
R62D "51" PNSC-EXB-38V103JV-8_M 291.44,76.192 r0 top (schematic designator R62)
R62E "51" PNSC-EXB-38V103JV-8_M 321.92,76.192 r0 top (schematic designator R62)
R63A "51" PNSC-EXB-38V103JV-8_M 216.8,69.842 r180 top (schematic designator R63)
R63B "51" PNSC-EXB-38V103JV-8_M 247.28,69.842 r180 top (schematic designator R63)
R63C "51" PNSC-EXB-38V103JV-8_M 277.76,69.842 r180 top (schematic designator R63)
R63D "51" PNSC-EXB-38V103JV-8_M 308.24,69.842 r180 top (schematic designator R63)
R63E "51" PNSC-EXB-38V103JV-8_M 338.72,69.842 r180 top (schematic designator R63)
R64A "51" PNSC-EXB-38V103JV-8_M 216.8,76.192 r180 top (schematic designator R64)
R64B "51" PNSC-EXB-38V103JV-8_M 247.28,76.192 r180 top (schematic designator R64)
R64C "51" PNSC-EXB-38V103JV-8_M 277.76,76.192 r180 top (schematic designator R64)
R64D "51" PNSC-EXB-38V103JV-8_M 308.24,76.192 r180 top (schematic designator R64)
R64E "51" PNSC-EXB-38V103JV-8_M 338.72,76.192 r180 top (schematic designator R64)
R65A "0R" R_0603_N#1 200.787,53.32 r270 bottom (schematic designator R65)
R65B "0R" R_0603_N#1 231.267,53.32 r270 bottom (schematic designator R65)
R65C "0R" R_0603_N#1 261.747,53.32 r270 bottom (schematic designator R65)
R65D "0R" R_0603_N#1 292.227,53.32 r270 bottom (schematic designator R65)
R65E "0R" R_0603_N#1 322.707,53.32 r270 bottom (schematic designator R65)
R66A "0R" R_0603_N#1 202.311,53.32 r270 bottom (schematic designator R66)
R66B "0R" R_0603_N#1 232.791,53.32 r270 bottom (schematic designator R66)
R66C "0R" R_0603_N#1 263.271,53.32 r270 bottom (schematic designator R66)
R66D "0R" R_0603_N#1 293.751,53.32 r270 bottom (schematic designator R66)
R66E "0R" R_0603_N#1 324.231,53.32 r270 bottom (schematic designator R66)
R67A "51" R_0603_N#1 197.568,66.465 r270 bottom (schematic designator R67)
R67B "51" R_0603_N#1 228.048,66.465 r270 bottom (schematic designator R67)
R67C "51" R_0603_N#1 258.528,66.465 r270 bottom (schematic designator R67)
R67D "51" R_0603_N#1 289.008,66.465 r270 bottom (schematic designator R67)
R67E "51" R_0603_N#1 319.488,66.465 r270 bottom (schematic designator R67)
R68A "51" R_0603_N#1 198.131,68.814 r0 bottom (schematic designator R68)
R68B "51" R_0603_N#1 228.611,68.814 r0 bottom (schematic designator R68)
R68C "51" R_0603_N#1 259.091,68.814 r0 bottom (schematic designator R68)
R68D "51" R_0603_N#1 289.571,68.814 r0 bottom (schematic designator R68)
R68E "51" R_0603_N#1 320.051,68.814 r0 bottom (schematic designator R68)